# Altium PCB LimeSDR-Micro_1v2.PcbDoc (part 1 of 9) (continued)
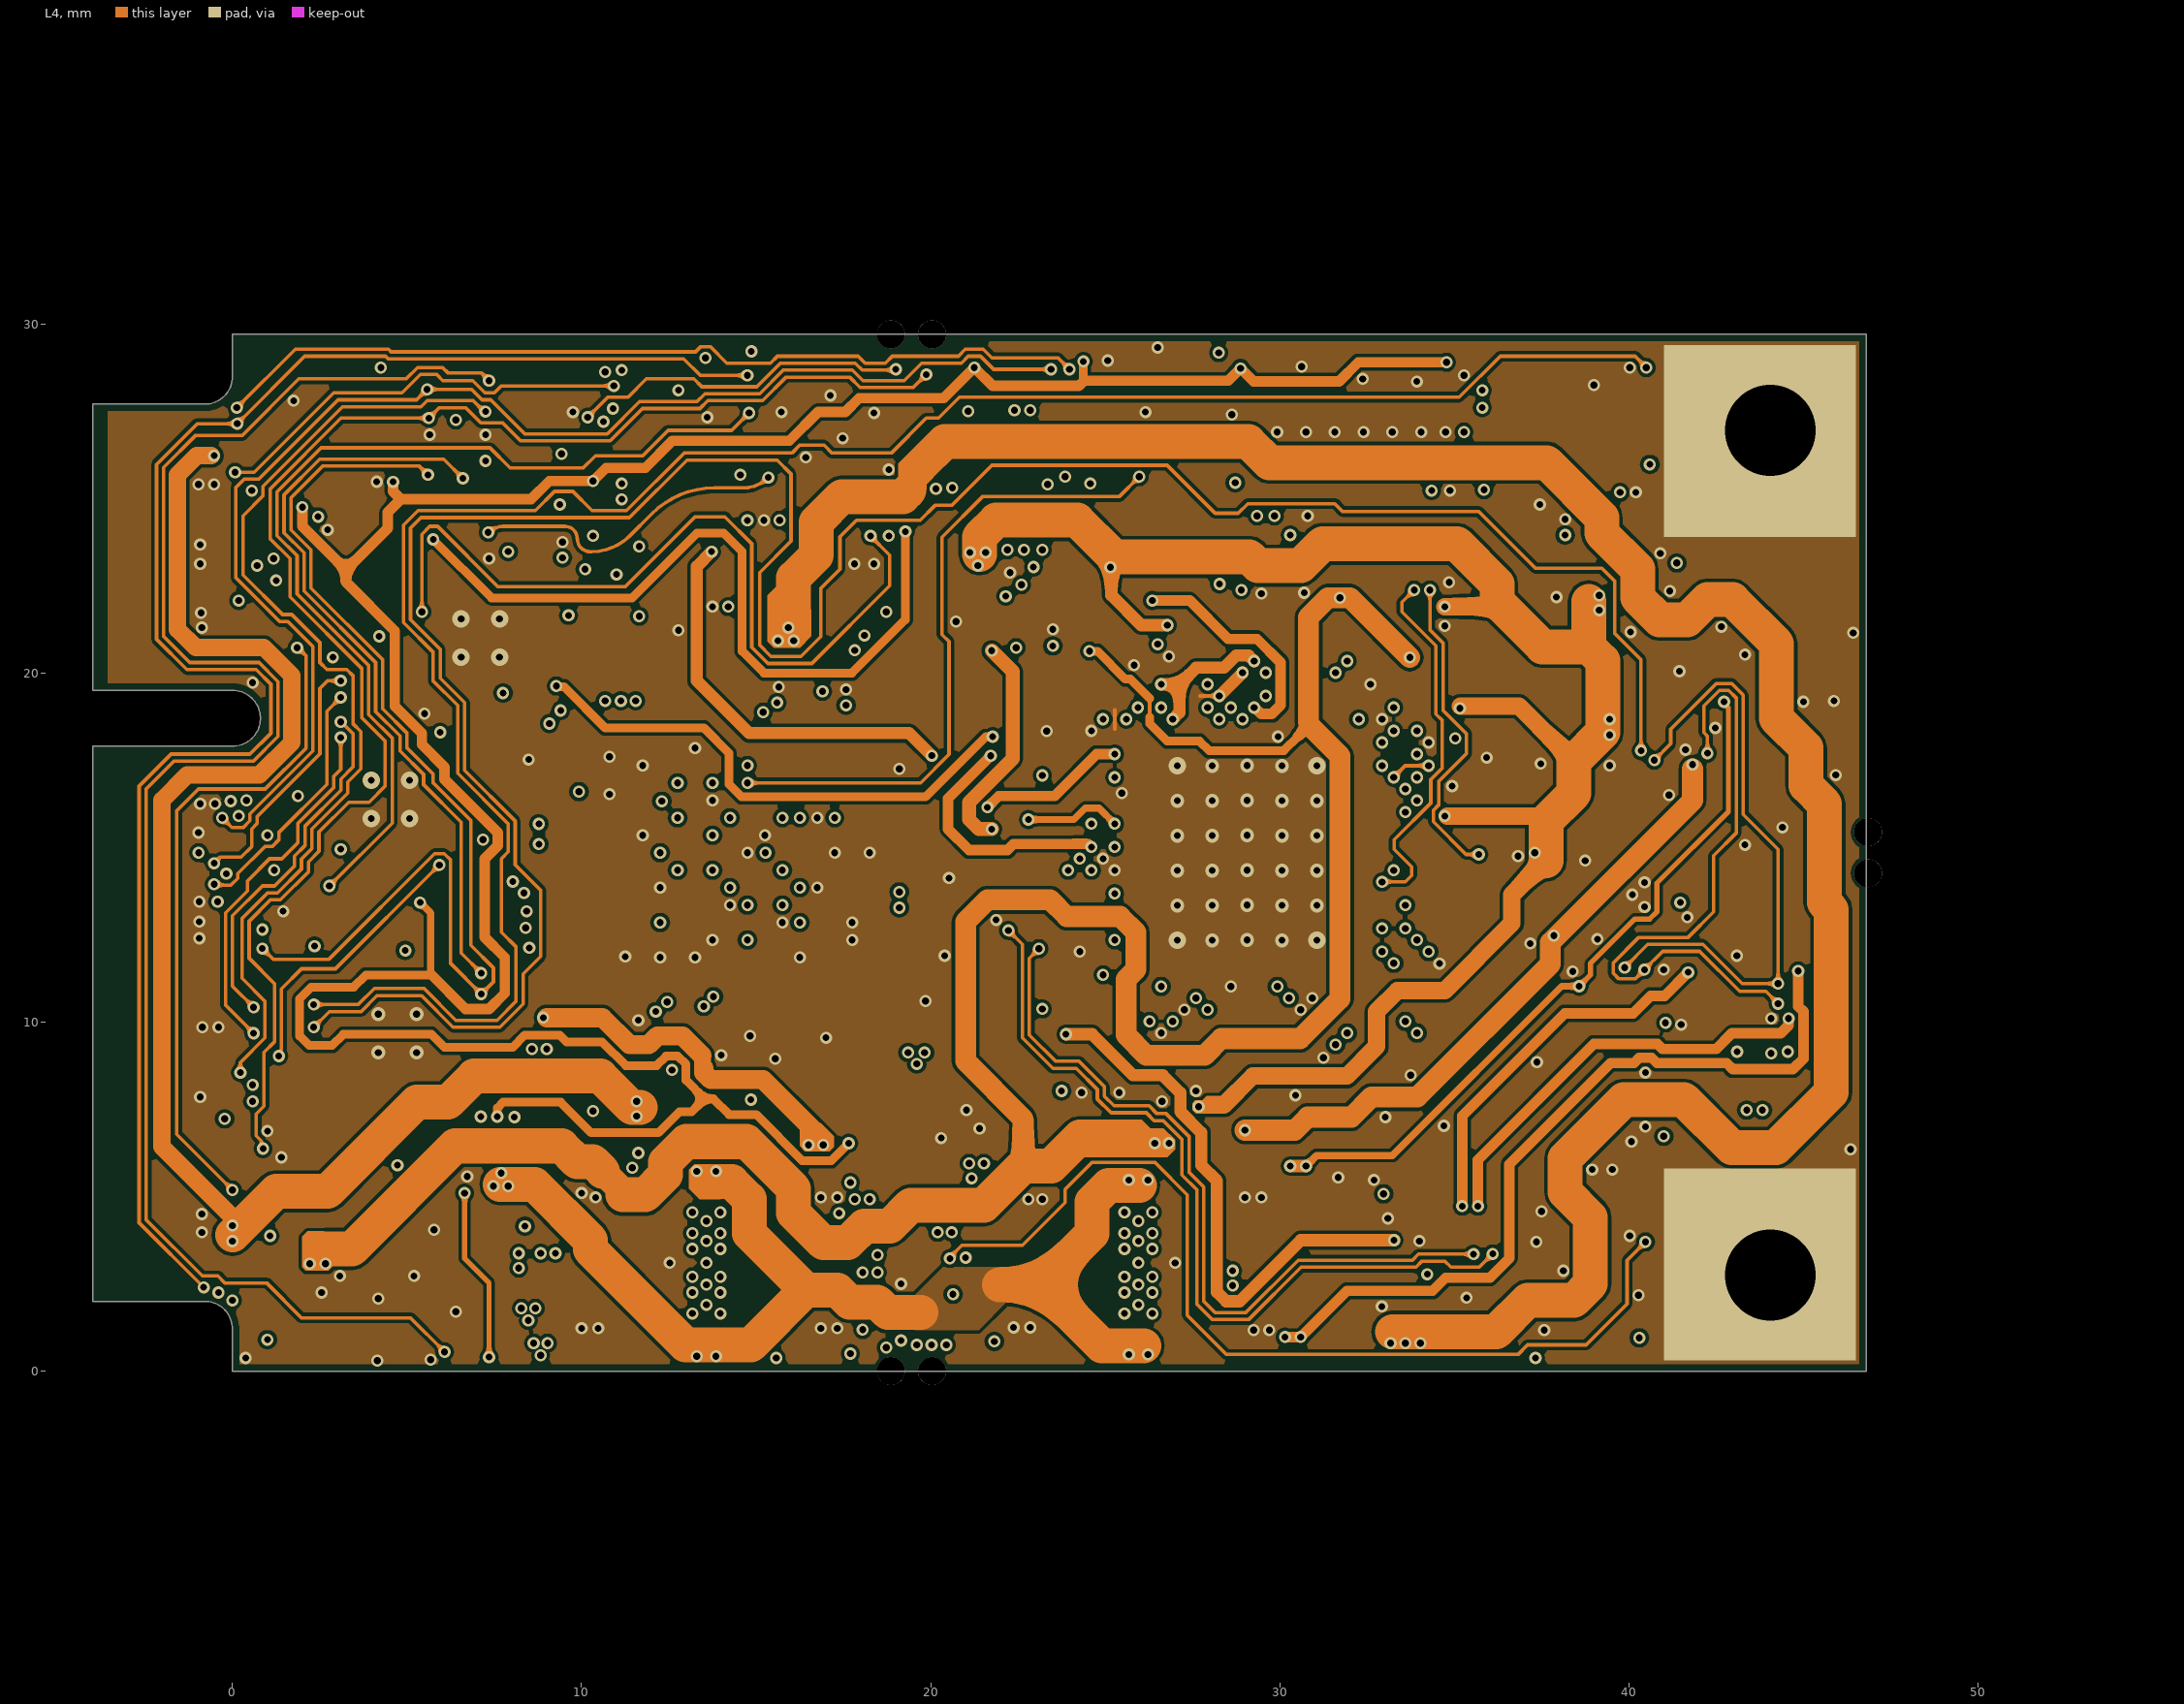
[diagram p4: L4]
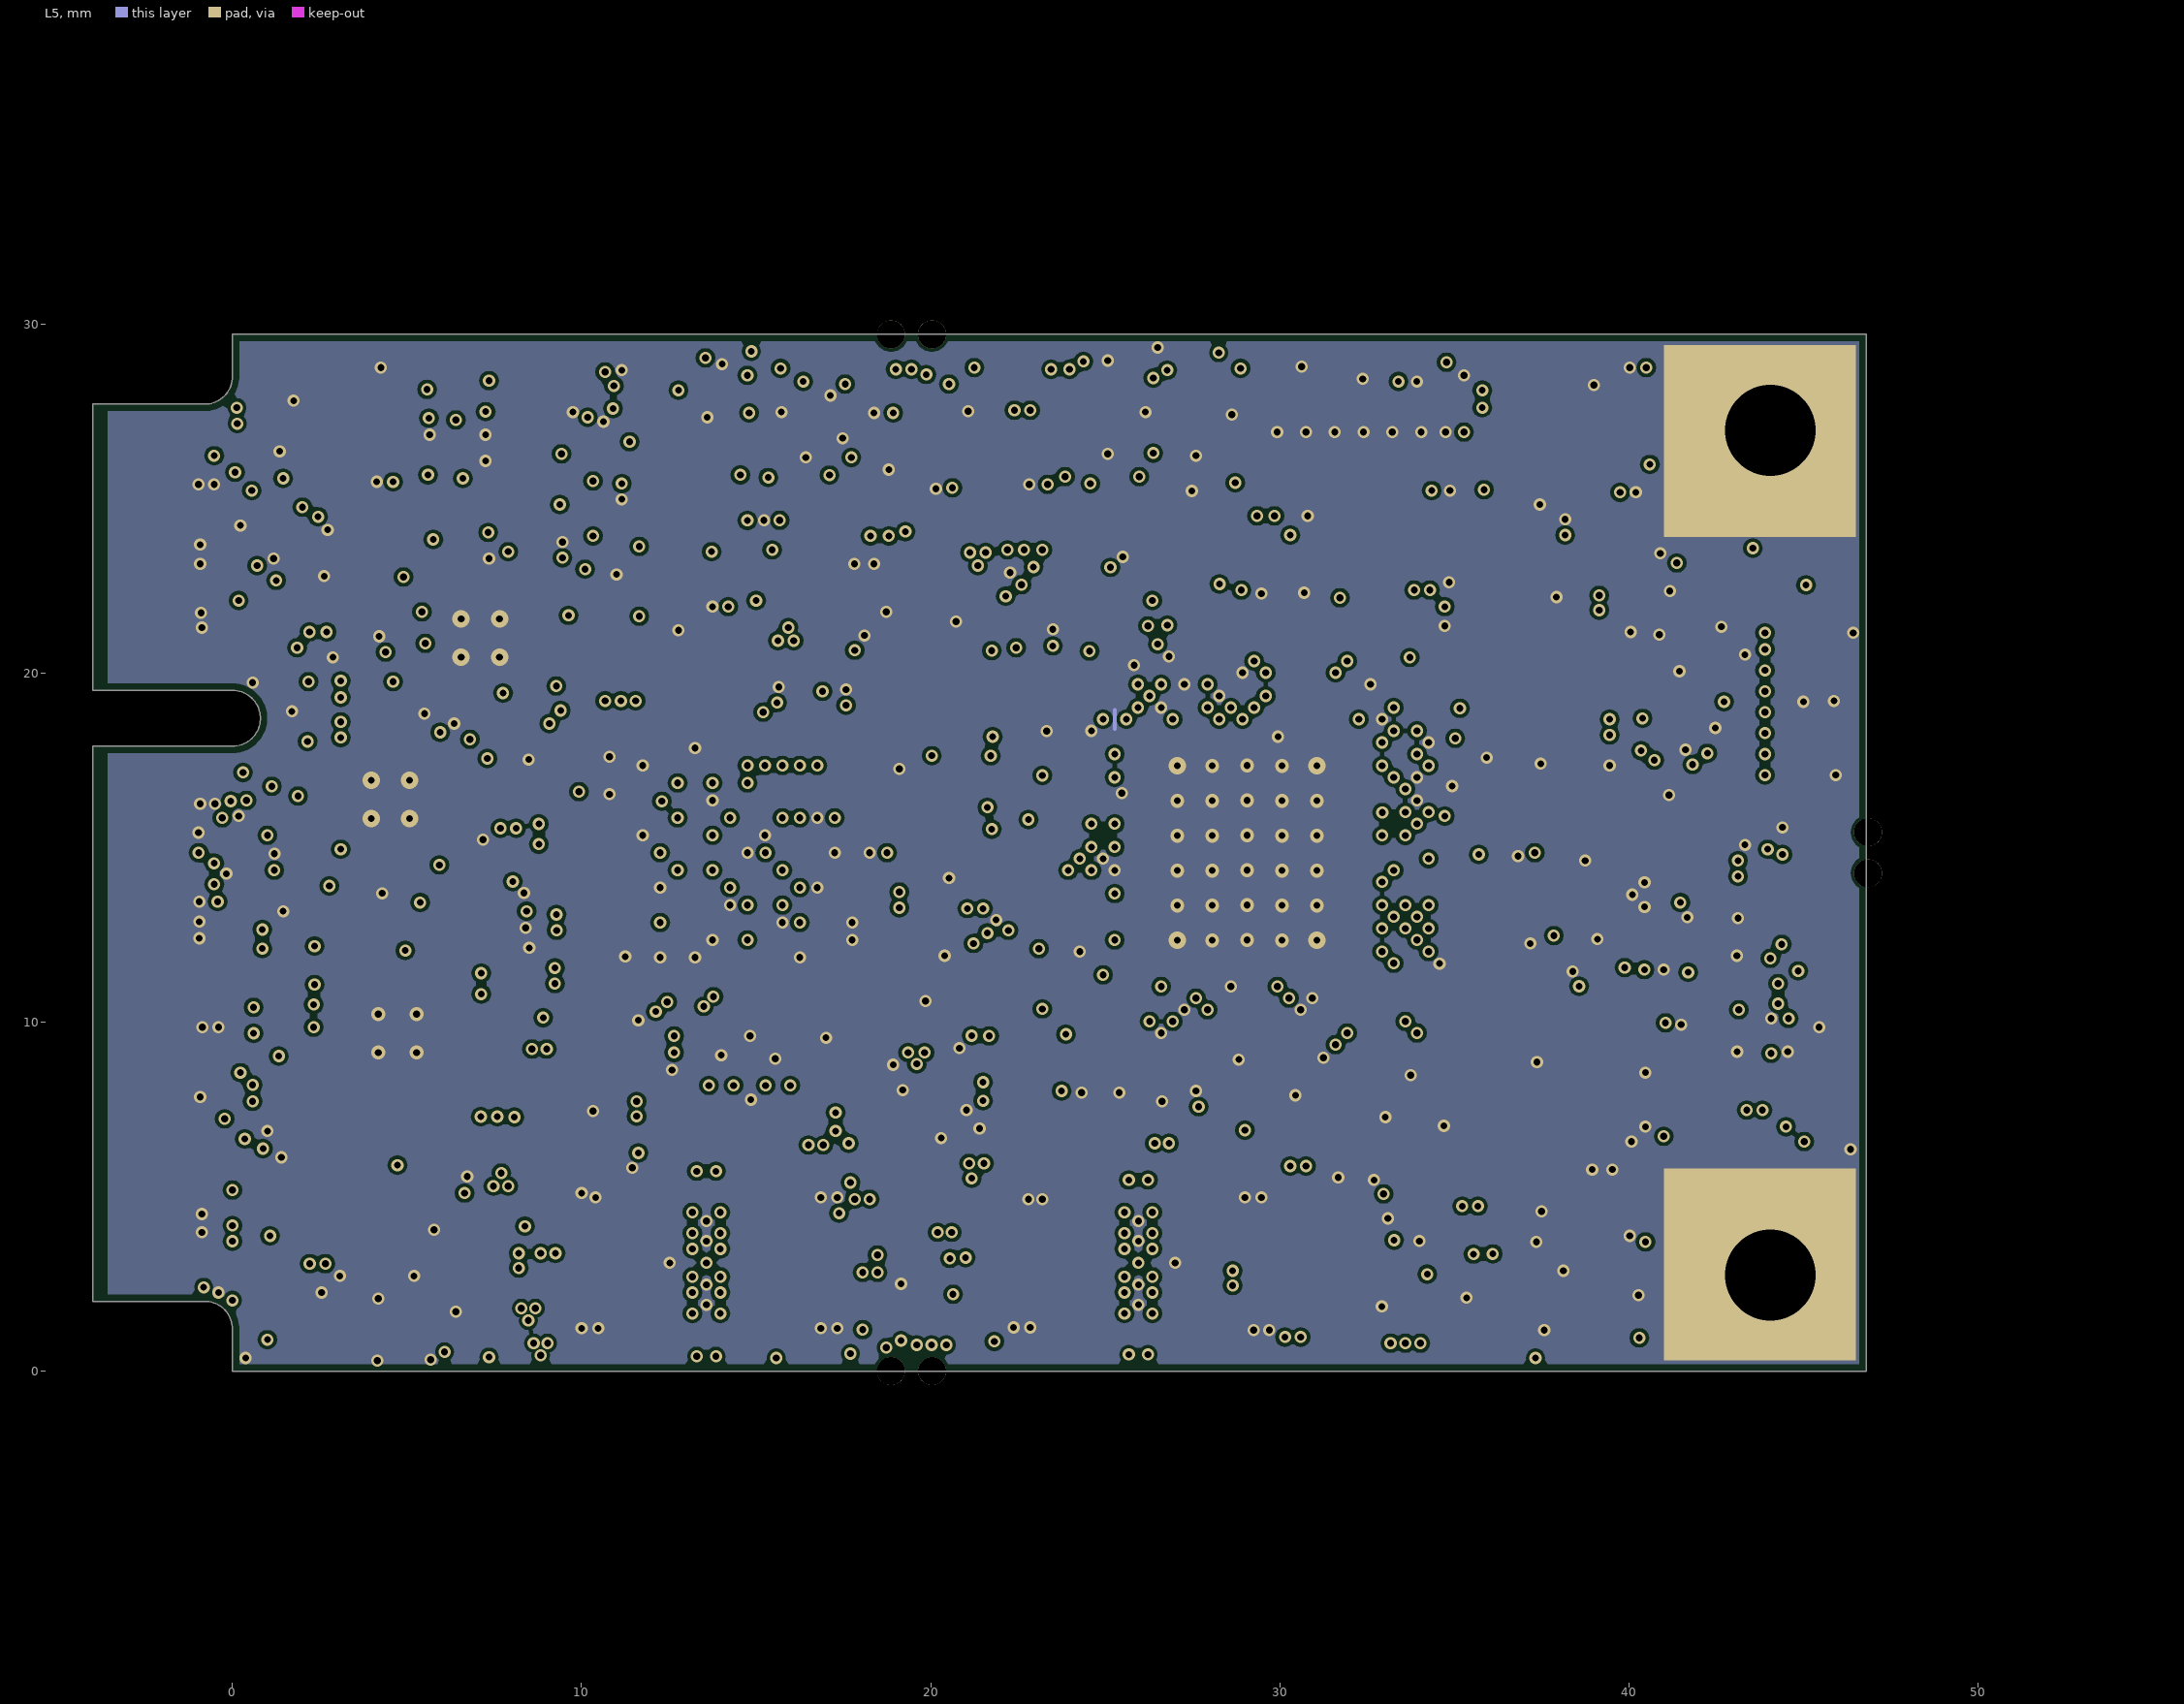
[diagram p5: L5]
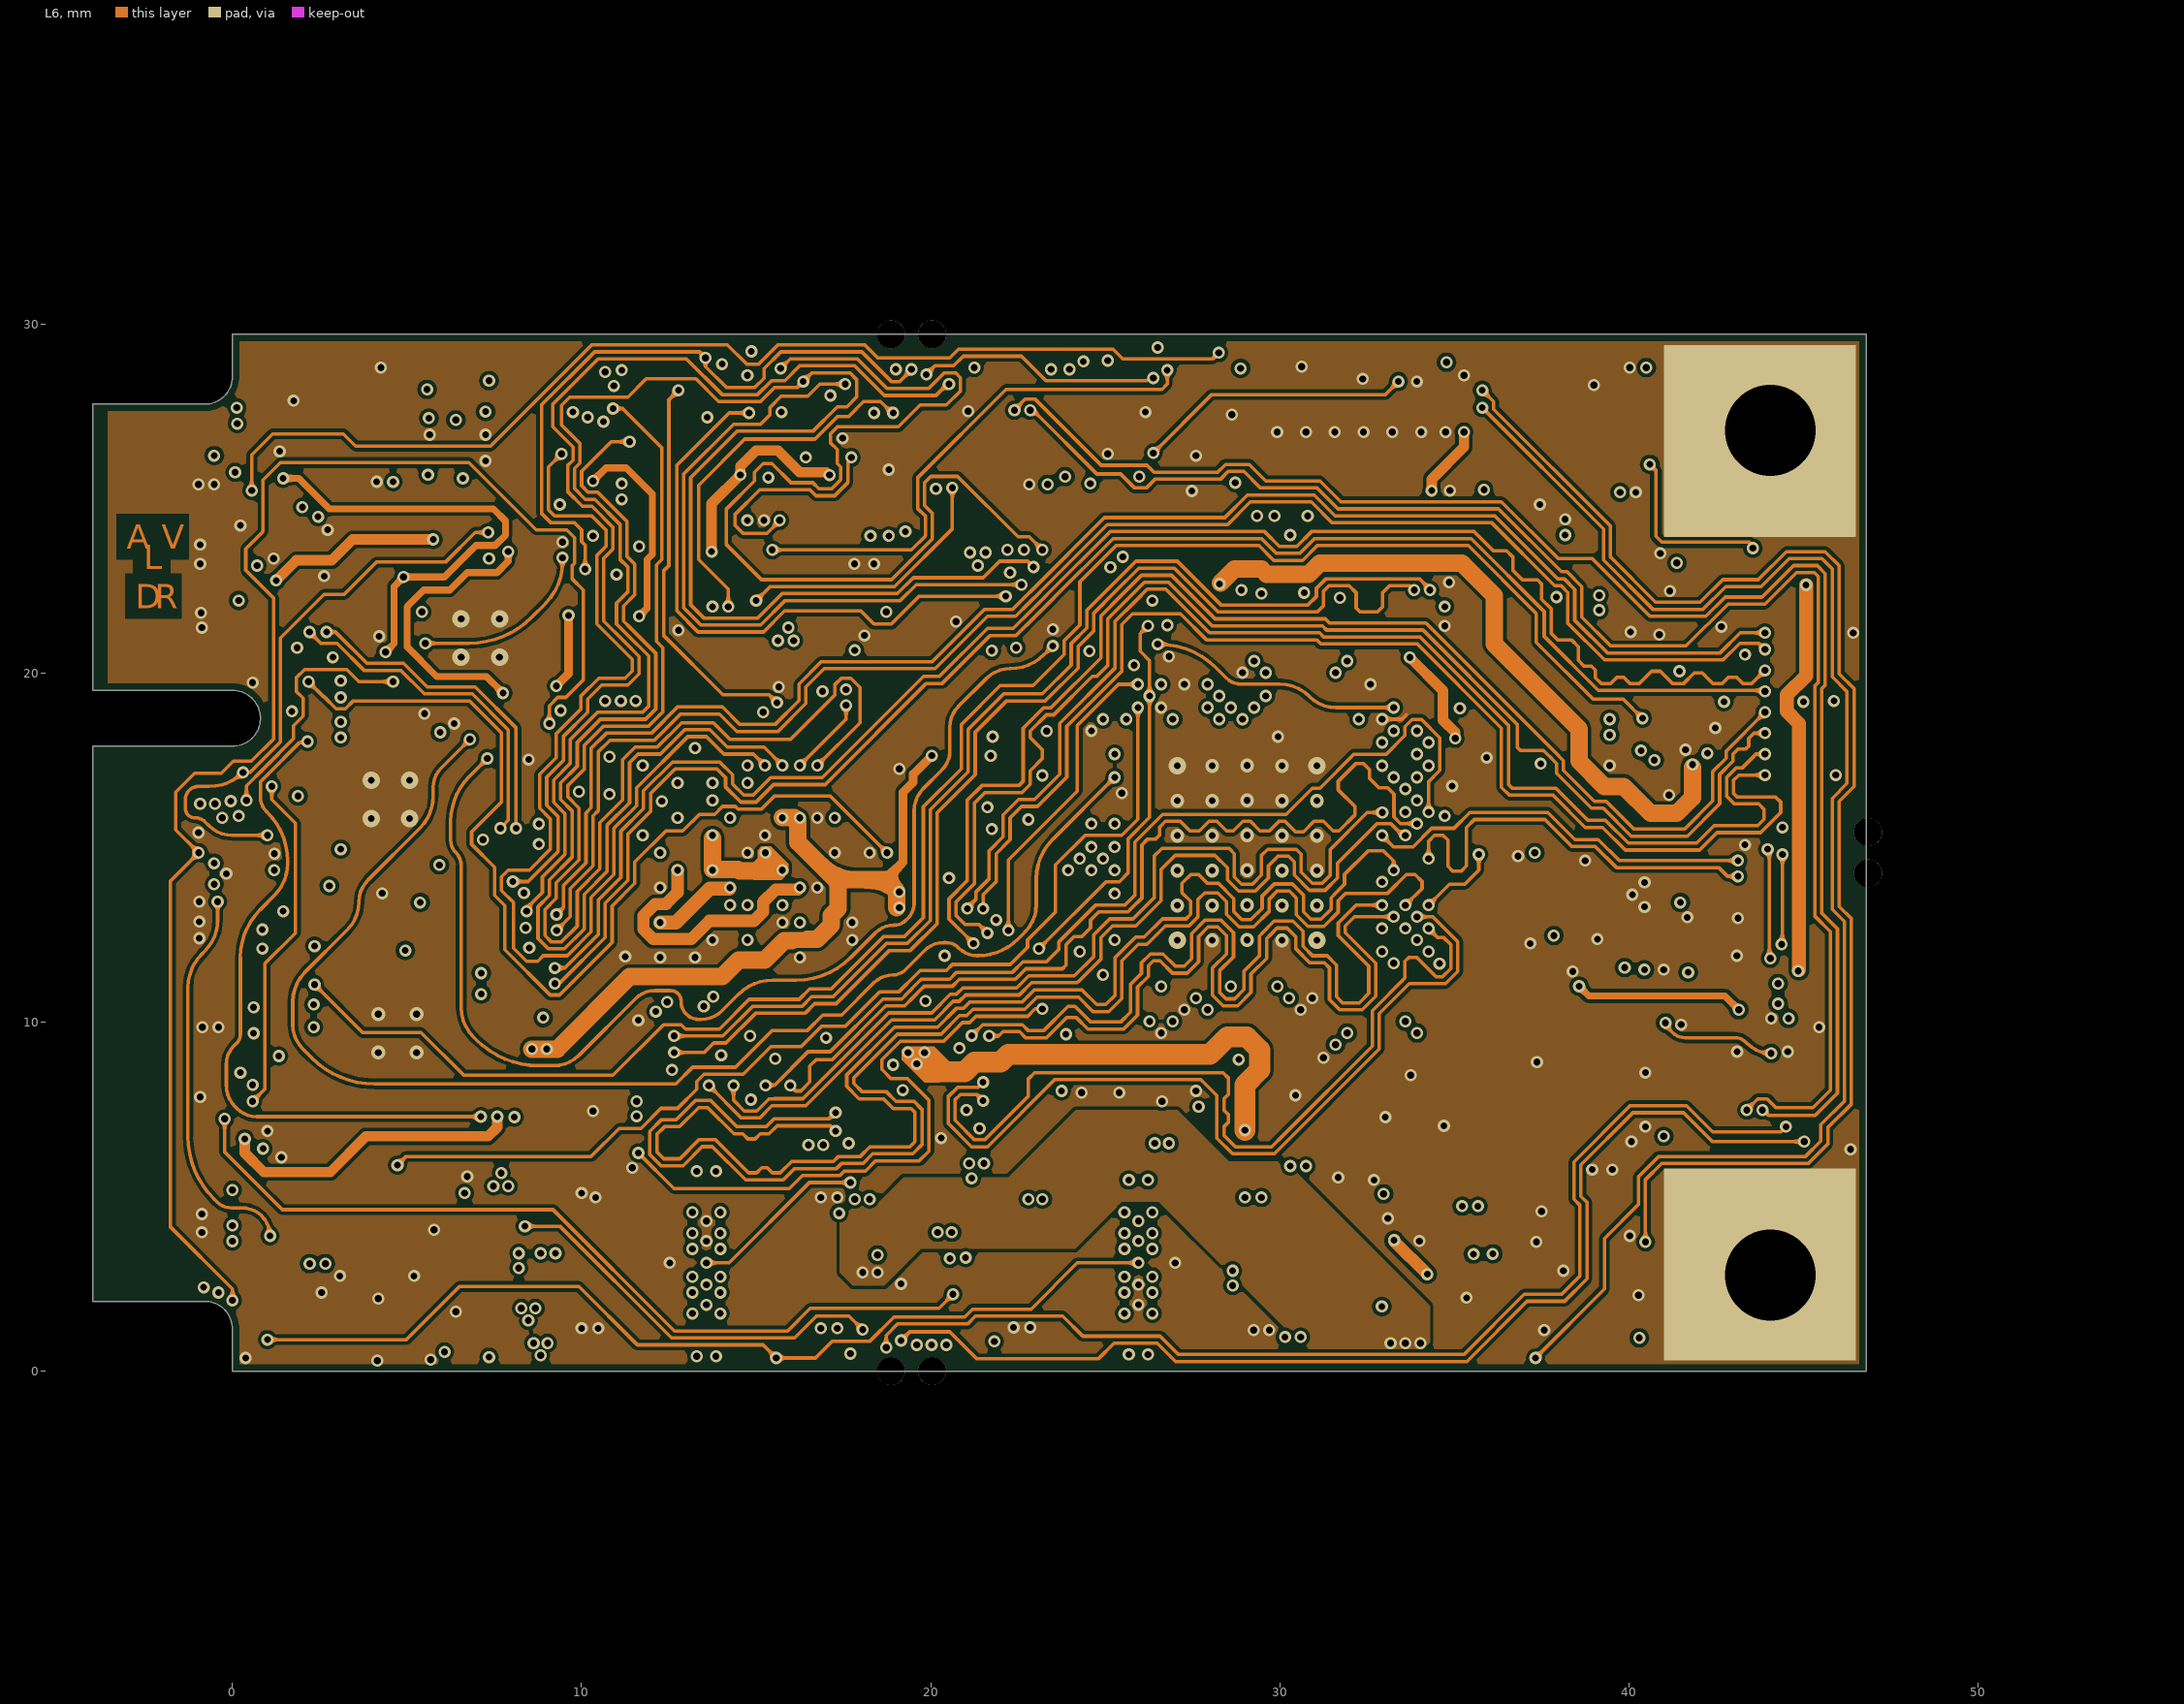
[diagram p6: L6]